# Altium PCB PCB.PcbDoc (part 3 of 3)
Units mm, origin at the board's own origin, x right, y up, seen from the top; angles counter-clockwise.
Board outline 229 x 100 mm, 2 copper layers (Top Layer 1, Bottom Layer 2), stack 1.58 mm thick; 164 components, 97 nets, 426 pads, 699 vias.
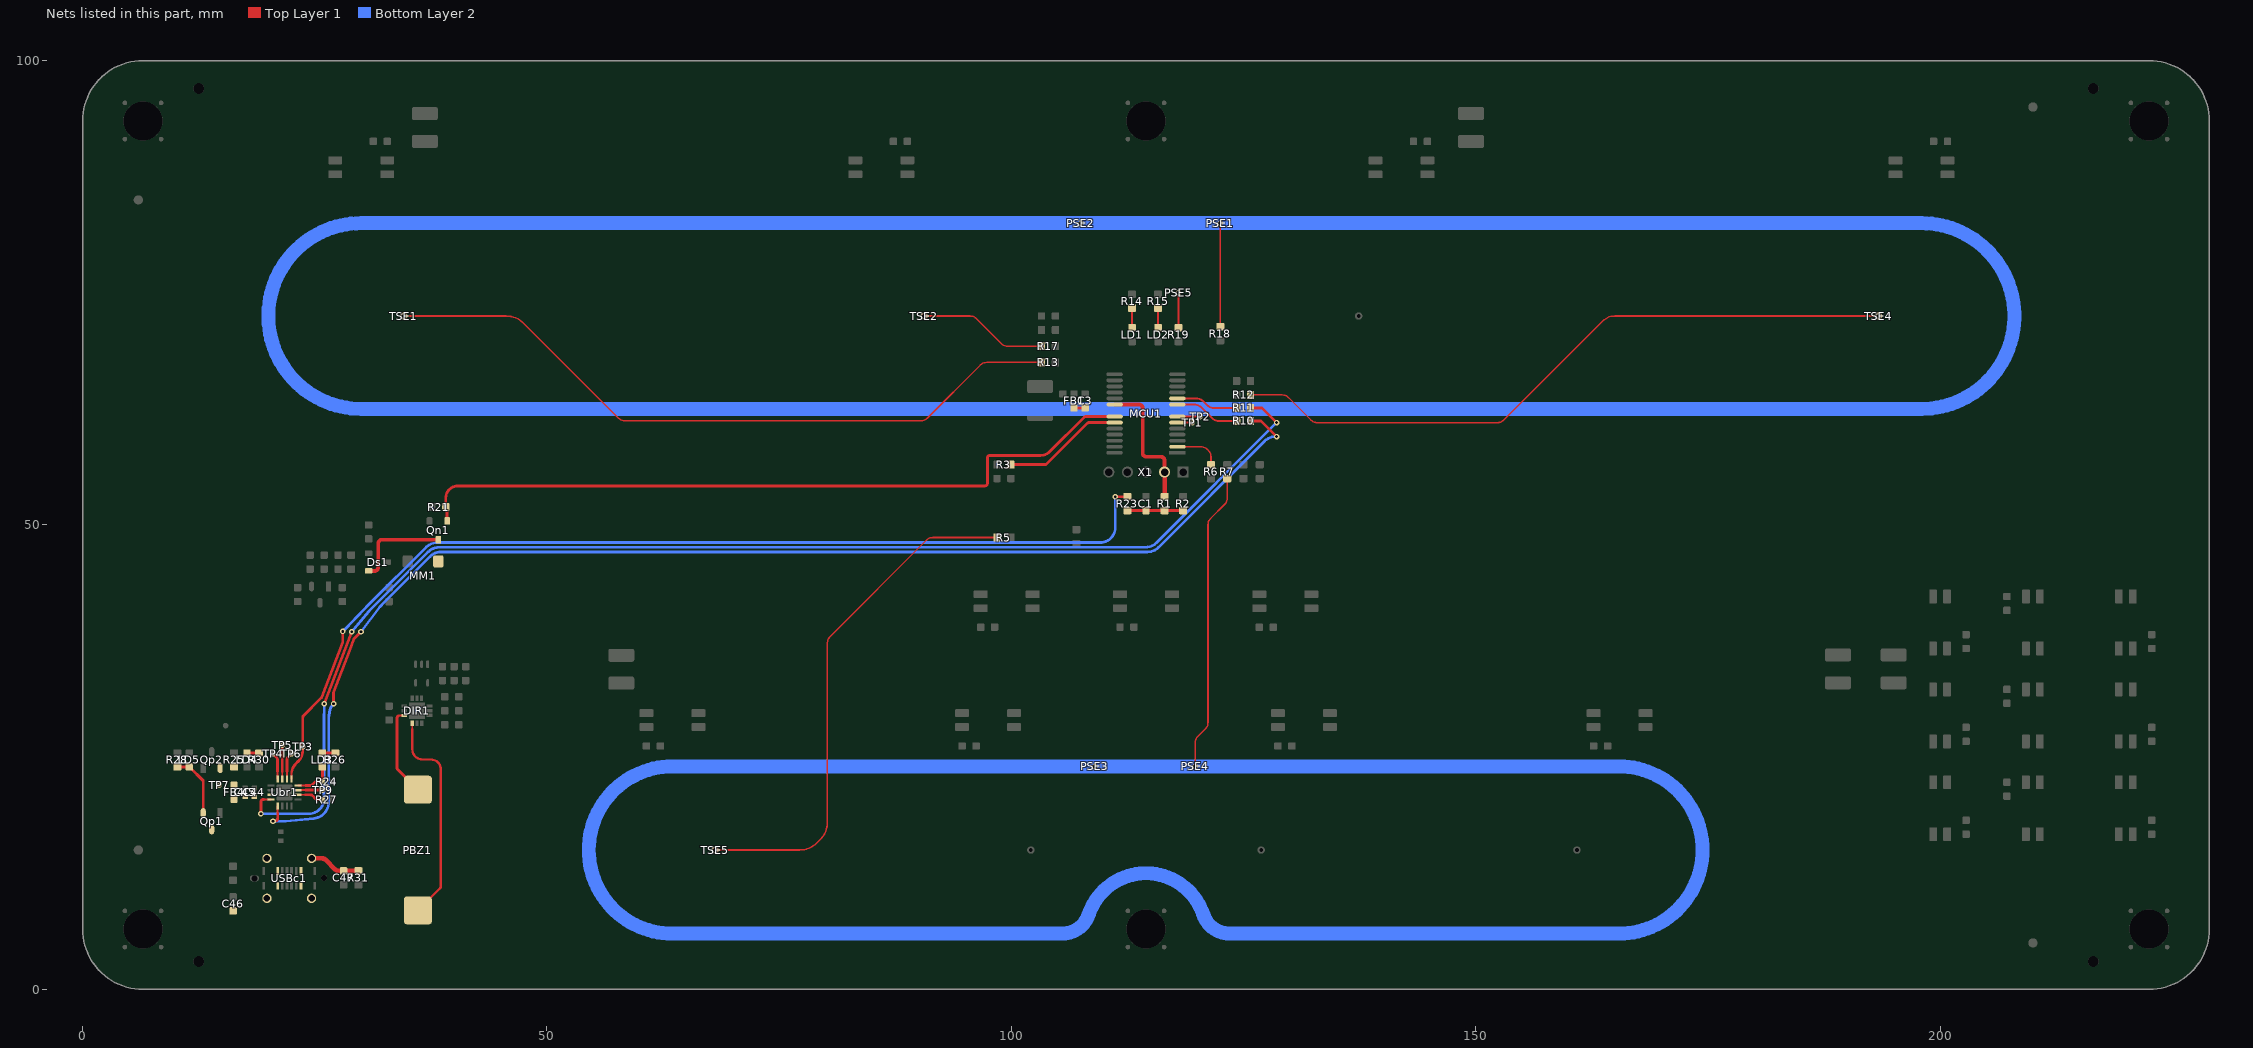
[diagram p3: the nets of this part, all layers, seen from the top]

## Via types
v1: diameter 0.7, hole 0.4, Top Layer 1 to Bottom Layer 2, tented both sides, 616 vias
v2: diameter 0.6, hole 0.3, Top Layer 1 to Bottom Layer 2, tented both sides, 83 vias

## Nets (pads, with @x,y where several pads share a name; then routed paths per layer and width w, separated by ;. In a path a pad name is that pad's centre, name@x,y a point inside that pad or via, vN(x,y) a via of type N, cw(c..) or ccw(c..) an arc to the next point about the centre after c; other vN are vias at no path point) (continued)
NetDIR1_6: DIR1.6 PBZ1.2 | length 9.6
  Top Layer 1 w0.2: 34,29.456 cw(c34.146,29.194) 34.146,29.494 DIR1.6@34.65,29.494
  Top Layer 1 w0.3: 34,29.456 ccw(c34.146,29.194) 33.846,29.194 33.846,23.879 ccw(c34.146,23.879) 33.933,23.667 34.9,22.7 PBZ1.2@36.1,21.5
NetDIR1_7: DIR1.7 PBZ1.1 | length 23.3
  Top Layer 1 w0.2: 35.5,28 35.5,28.477 DIR1.7@35.5,28.65
  Top Layer 1 w0.254: 35.5,28 35.5,25.835 ccw(c36.587,25.837) 36.587,24.75 36.588,24.75 37.511,24.75 cw(c37.512,23.688) 38.574,23.688 38.574,11.079 cw(c38.32,11.079) 38.499,10.899 PBZ1.1@36.1,8.5
NetDs1_2: Ds1.2 MM1.2 Qn1.3 | length 10.5
  Top Layer 1 w0.4: Ds1.2@30.8,45.05 31.428,45.05 ccw(c31.428,45.45) 31.828,45.45 31.828,48.015 cw(c32.228,48.015) 32.228,48.415 Qn1.3@38.3,48.415
NetLD1_1: LD1.1 R14.2 | length 2.1
  Top Layer 1 w0.2: LD1.1@113,71.25 R14.2@113,73.35
NetLD2_1: LD2.1 R15.2 | length 2.1
  Top Layer 1 w0.2: LD2.1@115.8,71.25 R15.2@115.8,73.35
NetLD3_1: LD3.1 R26.2 | length 1.4
  Top Layer 1 w0.3: LD3.1@25.825,25.45 R26.2@27.22,25.45
NetLD3_2: LD3.2 R24.1 Ubr1.12 | length 4.4
  Top Layer 1 w0.2: Ubr1.12@23.2,21.95 24,21.95
  Top Layer 1 w0.3: 24,21.95 24.532,21.95 ccw(c24.531,22.25) 24.743,22.037 24.968,22.263 cw(c25.18,22.05) 25.18,22.35 R24.1@25.825,22.35 LD3.2@25.825,23.95
NetLD4_1: LD4.1 R30.2 | length 1.3
  Top Layer 1 w0.3: LD4.1@17.7,25.45 R30.2@19,25.45
NetMCU1_2: MCU1.2 R6.2 | length 5.1
  Top Layer 1 w0.17: MCU1.2@117.875,58.425 120.423,58.425 cw(c120.423,57.49) 121.083,58.152 121.227,58.008 cw(c120.565,57.348) 121.5,57.348 121.5,56.78 R6.2@121.5,56.5
NetMCU1_6: MCU1.6 TP1.1 | length 1.6
  Top Layer 1 w0.2: MCU1.6@117.875,61.025 TP1.1@119.5,61.025
NetMCU1_7: MCU1.7 TP2.1 | length 2.5
  Top Layer 1 w0.2: MCU1.7@117.875,61.675 TP2.1@120.345,61.675
NetMCU1_9: MCU1.9 R10.2 | length 7
  Top Layer 1 w0.2: MCU1.9@117.875,62.975 119.678,62.975 cw(c119.678,61.875) 120.454,62.654 121.587,61.521 ccw(c122.364,62.3) 122.364,61.2 R10.2@124.25,61.2
NetMCU1_10: MCU1.10 R11.2 | length 6.7
  Top Layer 1 w0.2: MCU1.10@117.875,63.625 119.902,63.625 cw(c119.902,62.525) 120.679,63.304 121.06,62.922 ccw(c121.838,63.7) 121.838,62.6 R11.2@124.25,62.6
NetMCU1_23: MCU1.23 R3.1 | length 13
  Top Layer 1 w0.3: R3.1@99.958,56.5 103.716,56.5 108.153,60.938 cw(c108.365,60.725) 108.365,61.025 MCU1.23@111.125,61.025
NetR23_1: R23.1 TP3.1 Ubr1.13 | length 110.1
  Top Layer 1 w0.2: Ubr1.13@22.5,22.65 22.5,23.156 cw(c24.15,23.153) 22.527,23.45
  Top Layer 1 w0.3: 22.527,23.45 cw(c24.15,23.153) 22.983,24.32 23.217,24.554 ccw(c22.05,25.72) 23.7,25.718 TP3.1@23.7,26.1 23.7,29.251 cw(c24,29.251) 23.788,29.463 25.68,31.355 ccw(c25.466,31.566) 25.747,31.458 28.014,37.389 v2(28.014,38.543) ; v2(111.2,53.05) R23.1@112.5,53.05
  Bottom Layer 2 w0.3: v2(28.014,38.543) 30.548,41.155 cw(c32.45,39.309) 30.576,41.184 30.702,41.309 37.01,47.617 cw(c38.176,46.45) 38.176,48.1 109.55,48.1 ccw(c109.55,49.75) 111.2,49.75 v2(111.2,53.05)
NetR27_1: R27.1 Ubr1.10 | length 2.8
  Top Layer 1 w0.2: Ubr1.10@23.2,20.95 24,20.95
  Top Layer 1 w0.3: 24,20.95 24.526,20.95 cw(c24.526,20.65) 24.737,20.863 25.078,20.522 ccw(c25.289,20.735) 25.289,20.435 R27.1@25.825,20.435
NetTP4_1: TP4.1 Ubr1.16 | length 2.9
  Top Layer 1 w0.2: 20.985,23.45 20.985,22.665 Ubr1.16@21,22.65
  Top Layer 1 w0.3: TP4.1@20.5,25.35 20.898,24.952 cw(c20.685,24.741) 20.985,24.741 20.985,23.45
NetTP5_1: TP5.1 Ubr1.15 | length 3.7
  Top Layer 1 w0.2: Ubr1.15@21.5,22.65 21.5,23.45
  Top Layer 1 w0.3: 21.5,23.45 TP5.1@21.5,26.3
NetTP6_1: TP6.1 Ubr1.14 | length 2.9
  Top Layer 1 w0.2: Ubr1.14@21.999,22.65 21.999,23.128 22,23.129 22,23.45
  Top Layer 1 w0.3: 22,23.45 22,24.743 cw(c22.3,24.743) 22.087,24.954 TP6.1@22.483,25.35
NetTP9_1: TP9.1 Ubr1.11 | length 2.6
  Top Layer 1 w0.2: Ubr1.11@23.2,21.45 24,21.45
  Top Layer 1 w0.3: 24,21.45 TP9.1@25.844,21.45
nMCLR: C1.2 R1.1 R2.1 R23.2 | length 6
  Top Layer 1 w0.3: R23.2@112.5,51.55 C1.2@114.425,51.55 ; C1.2@114.5,51.55 R1.1@116.5,51.55 R2.1@118.5,51.55 ; R2.1@118.5,51.625 R2.1@118.55,51.625
NO: R12.2 TSE4.1 | length 73.4
  Top Layer 1 w0.17: R12.2@125.75,64 129.178,64 cw(c129.178,63.065) 129.838,63.727 132.267,61.298 ccw(c132.927,61.96) 132.927,61.025 152.362,61.025 ccw(c152.362,61.96) 153.022,61.298 163.703,71.978 cw(c164.964,70.715) 164.964,72.5 TSE4.1@193.4,72.5
ON_OFF: R5.1 TSE5.1 | length 56.2
  Top Layer 1 w0.17: TSE5.1@68.1,15 77.209,15 ccw(c77.209,17.635) 79.07,15.77 79.43,16.13 ccw(c77.565,17.991) 80.2,17.991 80.2,37.313 cw(c81.135,37.313) 80.473,37.973 90.877,48.377 cw(c91.537,47.715) 91.537,48.65 R5.1@98.458,48.65
OR: R17.2 TSE2.1 | length 13.9
  Top Layer 1 w0.17: TSE2.1@90.6,72.5 95.571,72.5 cw(c95.571,71.565) 96.231,72.227 98.935,69.523 ccw(c99.595,70.185) 99.595,69.25 R17.2@103.25,69.25
PS1: PSE3.1 PSE4.1 R7.1 | length 298.4
  Top Layer 1 w0.17: PSE4.1@119.8,24 119.8,26.571 cw(c120.735,26.571) 120.073,27.231 120.905,28.064 ccw(c120.243,28.724) 121.178,28.724 121.178,50.038 cw(c122.113,50.038) 121.451,50.698 122.977,52.225 ccw(c122.315,52.885) 123.25,52.885 R7.1@123.25,55
  Bottom Layer 2 w1.5: 63.5,6 cw(c63.5,15) 63.5,24 165.423,24 cw(c165.423,15) 165.423,6 123.51,6 cw(c123.514,9) 120.669,8.049 ccw(c114.5,6) 108.332,8.05 cw(c105.486,9) 105.49,6 63.5,6
PS2: PSE1.1 PSE2.1 R18.2 | length 410
  Top Layer 1 w0.17: R18.2@122.5,71.35 PSE1.1@122.5,82.5
  Bottom Layer 2 w1.5: 30,62.5 cw(c30,72.5) 30,82.5 PSE2.1@107.5,82.5 198,82.5 cw(c198,72.5) 198,62.5 30,62.5
RXD: R10.1 Ubr1.5 | length 139
  Top Layer 1 w0.2: 21,18.95 Ubr1.5@21,19.75
  Top Layer 1 w0.3: v2(20.5,18.1) 20.734,18.127 ccw(c20.7,18.425) 21,18.425 21,18.95 ; v2(27.025,30.754) 27.025,31.925 cw(c27.325,31.924) 27.045,32.03 28.754,36.523 29.201,37.694 cw(c29.482,37.587) 29.269,37.799 v2(29.973,38.502) ; R10.1@125.75,61.2 126.882,61.2 v2(128.565,59.518)
  Bottom Layer 2 w0.3: v2(20.5,18.1) 21.704,18.1 ccw(c21.701,19.75) 21.863,18.108 24.911,18.409 ccw(c24.738,20.162) 26.5,20.162 26.5,28.695 cw(c28.15,28.695) 26.5,28.703 26.503,29.224 cw(c28.153,29.211) 26.522,29.457 26.583,29.861 cw(c28.214,29.61) v2(27.025,30.754) ; v2(29.973,38.502) 32.027,41.199 cw(c33.34,40.199) 32.174,41.367 37.425,46.617 cw(c38.591,45.45) 38.591,47.1 114.664,47.1 ccw(c114.664,48.75) 115.829,47.583 127.282,59.035 cw(c128.448,57.868) 128.448,59.518 v2(128.565,59.518)
SH: C47.2 R31.1 USBc1.SH | length 5.6
  Top Layer 1 w0.5: USBc1.SH@24.65,14.1 25.81,14.1 cw(c25.81,13.6) 26.163,13.954 27.222,12.896 ccw(c27.575,13.25) 27.575,12.75 R31.1@29.7,12.75
SHIELD: PSE5.1 R19.1 | length 3.7
  Top Layer 1 w0.17: R19.1@118,71.25 PSE5.1@118,75
TXD: R11.1 Ubr1.4 | length 141.1
  Top Layer 1 w0.2: 19.5,20.45 Ubr1.4@20.3,20.45
  Top Layer 1 w0.3: v2(19.2,18.9) 19.2,20.15 cw(c19.5,20.15) 19.5,20.45 ; v2(26.013,30.754) v2(28.975,38.502) ; R11.1@125.75,62.6 126.99,62.6 v2(128.565,61.025)
  Bottom Layer 2 w0.3: v2(19.2,18.9) 24.35,18.9 ccw(c24.35,20.55) 26,20.55 26,28.7 cw(c26.5,28.7) 26,28.703 v2(26.013,30.754) ; v2(28.975,38.502) 30.799,40.687 cw(c32.45,39.309) 30.93,40.83 37.07,46.97 cw(c38.591,45.45) 37.073,46.973 37.22,47.119 cw(c38.384,45.95) 38.383,47.6 ; 38.384,47.6 114.456,47.6 ccw(c114.456,49.25) 115.622,48.082 v2(128.565,61.025)
VBUS: FB4.1 LD5.2 Qp1.2 Qp2.2 R25.1 R28.2 TP7.1 | length 6.9
  Top Layer 1 w0.3: R28.2@10.2,23.95 LD5.2@11.5,23.95 12.985,22.465 Qp1.2@12.985,18.977
VBUSin: C46.2 Qp1.3 USBc1.A4 USBc1.A9 USBc1.B4 USBc1.B9
VDD5: C44.1 C45.1 FB4.2 Ubr1.3
VIBRATE: MCU1.22 Qn1.1 R21.2 | length 80
  Top Layer 1 w0.3: Qn1.1@39.25,50.435 39.25,51.64 R21.2@39.1,51.925 39.1,52.9 cw(c40.4,52.9) 40.4,54.2 97.126,54.2 ccw(c97.126,54.5) 97.426,54.5 97.426,57.19 cw(c97.726,57.19) 97.726,57.49 103.145,57.49 103.146,57.49 ccw(c103.146,58.884) 104.132,57.898 107.821,61.588 cw(c108.033,61.375) 108.033,61.675 MCU1.22@111.125,61.675
VppMCU: C3.2 FB1.2 MCU1.20 R1.2 X1.2 | length 16
  Top Layer 1 w0.3: FB1.2@106.75,62.6 C3.2@107.95,62.6
  Top Layer 1 w0.4: MCU1.20@111.125,62.975 113.735,62.975 cw(c113.735,62.575) 114.135,62.575 114.135,57.748 ccw(c114.535,57.748) 114.535,57.348 116.1,57.348 cw(c116.1,56.948) 116.5,56.948 X1.2@116.5,55.7
  Top Layer 1 w0.5: R1.2@116.5,53.05 X1.2@116.5,55.7
XOR: R13.2 TSE1.1 | length 75.7
  Top Layer 1 w0.17: TSE1.1@34.6,72.5 45.609,72.5 cw(c45.609,69.865) 47.29,71.894 cw(c46.692,71.175) 47.354,71.835 52.676,66.523 57.702,61.506 ccw(c58.362,62.167) 58.362,61.232 90.291,61.232 ccw(c90.291,62.167) 90.951,61.505 96.673,67.227 cw(c97.333,66.565) 97.333,67.5 R13.2@103.25,67.5
pads on no net: FID1.1 FID2.1 FID3.1 FID4.1 LL1.1 RN1.1 RN1.MH RN2.1 RN2.MH RN3.1 RN3.MH RN4.1 RN4.MH RN5.1 RN5.MH RN6.1 RN6.MH TO1.1 TO2.1 TO3.1 TO4.1 USBc1.A5 USBc1.A8 USBc1.B5 USBc1.B8 USBc1.MH WS20.2

## Polygon pours and split planes (outlines as drawn)
VBUSin on Top Layer 1 "Pol" (solid, pour order 92): 13.407,8.693 13.407,17.373 cw(c13.787,17.373) 13.787,17.753 14.013,17.753 cw(c14.013,17.366) 14.4,17.366 14.4,9.746 ccw(c15.146,9.746) 15.146,9 20.254,9 ccw(c20.254,9.446) 20.7,9.446 20.7,13.1 cw(c20.9,13.1) 20.9,13.3 21,13.3 cw(c21,13.15) 21.15,13.15 21.15,9.446 ccw(c21.596,9.446) 21.596,9 22.904,9 ccw(c22.904,9.446) 23.35,9.446 23.35,13.15 cw(c23.5,13.15) 23.5,13.3 23.6,13.3 cw(c23.6,13.1) 23.8,13.1 23.8,8.915 cw(c22.385,8.915) 22.385,7.5 14.6,7.5 cw(c14.6,8.693)
GND on Top Layer 1 "GND_L01_P093" (solid, remove dead copper, pour order 93): 6.5,0 cw(c6.5,6.5) 0,6.5 0,93.5 cw(c6.5,93.5) 6.5,100 222.5,100 cw(c222.5,93.5) 229,93.5 229,6.5 cw(c222.5,6.5) 222.5,0
GND on Top Layer 1 "Pol" (solid, pour order 54): 121.815,55.4 120.044,55.4 120.044,54.6 121.815,54.6
NetC15_2 on Top Layer 1 "Pol" (solid, pour order 55): 32.6,43.53 32.41,45.79 32.41,46.21 cw(c32.5,46.21) 32.5,46.3 33.251,46.3 34.402,46.69 cw(c34.615,46.063) 34.615,46.725 35.385,46.725 cw(c35.385,46.554) 35.55,46.51 35.55,45.591 cw(c35.385,45.591) 35.385,45.426 ccw(c35.385,44.813) 34.93,45.224 33.588,43.738 ccw(c34.128,43.25) 33.4,43.25 33.4,42.97 32.6,42.97
GND on Top Layer 1 "Pol" (solid, pour order 66): 20.3,21.575 19.2,21.575 cw(c19.2,21.784) 19.052,21.636 18.763,21.925 17.263,21.925 17.2,21.863 17.2,21.488 17.263,21.425 18.703,21.425 cw(c18.703,21.342) 18.762,21.401 18.802,21.36 ccw(c18.887,21.445) 18.887,21.325 20.3,21.325
VDD5 on Top Layer 1 "Pol" (solid, pour order 72): 20.3,21.075 18.91,21.075 ccw(c18.91,20.9) 18.786,21.024 18.772,21.009 cw(c18.689,21.091) 18.689,20.975 17.263,20.975 ccw(c17.262,20.913) 17.218,20.957 17.175,20.914 cw(c17.082,21.007) 17.082,20.875 16.02,20.875 16.02,20.075 16.58,20.075 ccw(c16.58,20.195) 16.665,20.11 16.928,20.373 cw(c17.174,20.126) 17.174,20.475 18.737,20.475 ccw(c18.737,20.537) 18.782,20.493 19.052,20.764 cw(c19.2,20.616) 19.2,20.825 20.3,20.825
VppMCU on Top Layer 1 "Pol" (solid, pour order 74): 111.125,63.182 108.556,63.182 ccw(c108.556,62.837) 108.311,63.081 cw(c108.115,63.277) 108.115,63 106.47,63 106.47,62.2 108.23,62.2 ccw(c108.23,62.787) 108.645,62.372 108.804,62.531 cw(c109.375,61.96) 109.375,62.768 111.125,62.768
VBUS on Top Layer 1 "Pol" (solid, pour order 75): 16.74,22.295 16.74,24.23 ccw(c16.62,24.23) 16.62,24.35 15.99,24.35 15.987,24.353 14.815,24.353 ccw(c14.815,24.079) 14.622,24.273 12.993,22.644 ccw(c13.671,21.965) 12.712,21.965 12.712,18.721 13.258,18.721 13.258,19.675 cw(c14.666,19.675) 13.671,20.671 14.273,21.273 cw(c15.002,20.544) 15.002,21.575 16.58,21.575 ccw(c16.58,21.735) 16.74,21.735
+5.0V on Top Layer 1 "Pol" (solid, pour order 76): 101.998,64.2 103.926,64.2 103.926,65.6 98.602,65.6 ccw(c98.602,63.498) 96.5,63.498 96.5,59.275 ccw(c97.275,59.275) 97.275,58.5 99.477,58.5 ccw(c99.477,59.223) 100.2,59.223 100.2,62.402 cw(c101.998,62.402)
+5.0V on Top Layer 1 "Pol" (solid, pour order 78): 14,25 16.6,25 ccw(c16.6,25.5) 17.1,25.5 17.1,36.3 ccw(c16.5,36.3) 16.5,36.9 14.2,36.9 ccw(c14.2,36.3) 13.6,36.3 13.6,25.4 ccw(c14,25.4)
NetDs1_2 on Top Layer 1 "Pol" (solid, pour order 80): 38,48.415 38,47.03 cw(c37.633,47.03) 37.893,46.771 37.798,46.677 ccw(c37.915,46.56) 37.75,46.56 37.75,46 38.85,46 38.85,46.56 38.6,48.105 38.6,48.415
NetC12_2 on Top Layer 1 "Pol" (solid, pour order 81): 28.92,47.15 29.079,47.15 ccw(c29.079,47.993) 29.675,47.397 30.133,47.855 ccw(c29.488,48.5) 30.4,48.5 31.2,48.5 31.2,46.75 cw(c30.8,46.75) 30.8,46.35 28.92,46.35
GND on Top Layer 1 "Pol" (solid, pour order 82): 111.125,63.832 109.157,63.832 cw(c109.157,64.338) 108.799,63.981 108.315,64.465 ccw(c108.23,64.38) 108.23,64.5 107.67,64.5 ccw(c107.67,64.38) 107.55,64.38 107.55,63.82 ccw(c107.67,63.82) 107.67,63.7 108.131,63.7 cw(c108.131,63.462) 108.3,63.63 108.377,63.553 ccw(c108.704,63.881) 108.704,63.418 111.125,63.418
SH on Bottom Layer 2 "Pol" (solid, pour order 38): 18.25,16 26.5,16 cw(c26.5,15) 27.5,15 27.5,9.25 cw(c26.25,9.25) 26.25,8 18.5,8 cw(c18.5,9.5) 17,9.5 17,14.75 cw(c18.25,14.75)
+5.0V on Bottom Layer 2 "Inner Layer 3-+5.0V" (solid, pour order 42): 17,32 57.5,32 cw(c57.5,31.001) 58.5,31 58.5,27.3 ccw(c59.1,27.3) 59.1,26.7 ccw(c59.1,27.3) 59.7,27.3 59.7,31 cw(c60.7,31) 60.7,32 91.5,32 cw(c91.5,31.001) 92.5,31 92.5,27.3 ccw(c93.1,27.3) 93.1,26.7 ccw(c93.1,27.3) 93.7,27.3 93.7,31 cw(c94.7,31) 94.7,32 126,32 cw(c126,31.5) 126.5,31.5 126.5,27.288 ccw(c127.094,27.288) 127.094,26.694 ccw(c127.094,27.3) 127.7,27.3 127.7,31.5 cw(c128.2,31.5) 128.2,32 160,32 cw(c160.001,31.501) 160.5,31.5 160.5,27.3 ccw(c161.1,27.299) 161.7,27.3 161.7,31.5 cw(c162.2,31.5) 162.2,32 204,32 cw(c204.001,31.501) 204.5,31.5 204.5,16.6 ccw(c204.9,16.6) 204.9,16.2 205.1,16.2 ccw(c205.1,16.6) 205.5,16.6 205.5,31.5 cw(c206,31.5) 206,32 221.5,32 cw(c221.502,30.002) 223.5,30 223.5,16.5 ccw(c223.8,16.5) 223.8,16.2 224.2,16.2 ccw(c224.2,16.5) 224.5,16.5 224.5,34.6 ccw(c222.103,34.603) 222.1,37 207,37 cw(c207,37.5) 206.5,37.5 206.5,42.4 ccw(c206.101,42.401) 206.1,42.8 205.9,42.8 ccw(c205.9,42.4) 205.5,42.4 205.5,37.5 cw(c205.001,37.499) 205,37 126.2,37 cw(c126.2,37.5) 125.7,37.5 125.7,39.12 ccw(c125.205,39.12) 125.205,39.615 125.005,39.615 ccw(c125.005,39.11) 124.5,39.11 124.5,37.5 cw(c124.001,37.499) 124,37 111.2,37 cw(c111.2,37.5) 110.7,37.5 110.7,39.1 ccw(c110.185,39.1) 110.185,39.615 110.015,39.615 ccw(c110.015,39.093) 109.493,39.093 109.493,37.5 cw(c108.994,37.5) 108.993,37 96.207,37 cw(c96.206,37.506) 95.7,37.507 95.7,39.1 ccw(c95.186,39.1) 95.186,39.614 95.014,39.614 ccw(c95.014,39.1) 94.5,39.1 94.5,37.5 cw(c94.001,37.499) 94,37 18,37 cw(c18,38) 17,38 17,56.5 cw(c19,56.5) 19,58.5 99.378,58.5 ccw(c99.378,59.322) 100.2,59.322 100.2,59.678 ccw(c99.378,59.678) 99.378,60.5 17,60.5 cw(c17,62) 15.5,62 15.5,89.7 cw(c16.5,89.7) 16.5,90.7 107.5,90.7 cw(c107.501,89.701) 108.5,89.7 ccw(c111.203,89.7) 111.204,86.996 118.196,86.996 ccw(c118.196,89.3) 120.5,89.3 120.5,89.7 cw(c121.5,89.7) 121.5,90.7 202.5,90.7 ccw(c202.5,91.2) 203,91.2 203,91.5 ccw(c202.493,91.501) 202.492,92.008 121.508,92.008 ccw(c121.507,89.501) 119,89.5 cw(c118.001,89.499) 118,88.5 111.2,88.5 cw(c111.2,89.7) 110,89.7 ccw(c107.501,89.701) 107.5,92.2 16.5,92.2 ccw(c16.499,89.701) 14,89.7 14,33.1 ccw(c15.1,33.1) 15.1,32
GND on Bottom Layer 2 "Pol" (hatched 45Degree grid 1.5 track 0.17, remove dead copper, pour order 70): 63.151,24.995 165.553,24.995 cw(c165.553,15.048) 175.5,14.971 cw(c165.365,15.05) 165.365,4.915 63.584,4.915 cw(c63.584,14.884) 53.615,14.926 53.617,15.501 cw(c63.151,15.462)
SHIELD on Bottom Layer 2 "Pol" (hatched 45Degree grid 1.5 track 0.17, pour order 67): 29.658,82.495 198.071,82.495 cw(c198.071,72.533) 208.033,72.533 cw(c197.915,72.533) 197.915,62.415 30.091,62.415 cw(c30.091,72.384) 20.122,72.426 20.124,73.001 cw(c29.658,72.962)
GND on Bottom Layer 2 "GND_L02_P090" (solid, remove dead copper, pour order 90): 6.5,0 cw(c6.5,6.5) 0,6.5 0,93.5 cw(c6.5,93.5) 6.5,100 222.5,100 cw(c222.5,93.5) 229,93.5 229,6.5 cw(c222.5,6.5) 222.5,0

## Silkscreen, mask and mechanical layers (free items; w line width, h text height)
Top Overlay:
  drawing of 3909 lines, arcs and shapes, not listed
  text "HELP" at 148.633,61.613 h5
  text "XOR gate" at 135.4,54.861 h5
  text "Y=A  B" at 159.3,54.861 h5
  text "OR gate" at 135.4,49.833 h5
  text "Y=A+B" at 159.3,49.833 h5
  text "AND gate" at 135.4,44.861 h5
  text "Y=A*B" at 159.3,44.861 h5
  text "NOT gate" at 135.4,39.778 h5
  text "Y = A" at 159.3,39.778 h5
Bottom Overlay:
  drawing of 308 lines, arcs and shapes, not listed
  text "Catcatcat Electronics" at 212.6,92.781 h6
  text "Logic  Gate" at 83.393,87.364 h12
  text "Development of logical thinking!" at 86.3,50.867 h7
  text "Y" at 103.094,46.3 h9
  text "B" at 117.719,46.3 h9
  text "A" at 133.355,46.3 h9
  text "Your level" at 231.089,41.97 h6
  text "RED  - \"1\" / BLUE - \"0\"" at 175,40.201 h4
  text "Mode" at 177.183,11.744 h6
  text "On/Off" at 77.351,11.689 h6
  text "1" at 99.635,10.115 h12
  text "0" at 134.621,9.931 h12
Board pcb:
  the board outline again, w0.1
Drill Drawing:
  circle w0.1: c-1.773,163.467 r0.667
  lines w0.1: -2.439,156.8 -2.439,157.133 -2.106,157.467 -2.439,157.8 -2.439,158.133 -2.106,158.133 -1.773,157.8 -1.439,158.133 -1.106,158.133 -1.106,157.8 -1.439,157.467 -1.106,157.133 -1.106,156.8 -1.439,156.8 -1.773,157.133 -2.106,156.8 -2.439,156.8 ; -2.439,160.133 -2.106,160.133 -2.106,159.8 -1.439,159.8 -1.439,160.133 -1.106,160.133 -1.106,160.8 -1.439,160.8 -1.439,161.133 -2.106,161.133 -2.106,160.8 -2.439,160.8 -2.439,160.133 ; -2.439,166.133 -2.106,166.133 -1.773,165.8 -1.439,166.133 -1.106,166.133 -1.439,166.467 -1.106,166.8 -1.439,166.8 -1.773,167.133 -2.106,166.8 -2.439,166.8 -2.106,166.467 -2.439,166.133 ; -2.439,170.133 -1.106,170.133 -1.773,168.8 -2.439,170.133 ; -2.439,171.8 -1.773,172.133 -1.106,171.8 -1.439,172.467 -1.106,173.133 -1.773,172.8 -2.439,173.133 -2.106,172.467 -2.439,171.8 ; -2.439,174.8 -1.106,174.8 -1.106,176.133 -2.439,176.133 -2.439,174.8 ; -2.439,178.467 -1.773,177.8 -1.106,178.467 -1.773,179.133 -2.439,178.467
  lines w0.3: -3.604,155.9 146.601,155.9 ; -3.604,179.9 146.601,179.9 ; 6.128,152.9 6.128,182.9 ; 15.858,152.9 15.858,182.9 ; 35.288,152.9 35.288,182.9 ; 42.906,152.9 42.906,182.9 ; 54.371,152.9 54.371,182.9 ; 82.496,152.9 82.496,182.9 ; 92,152.9 92,182.9 ; 104.52,152.9 104.52,182.9 ; 133.4,152.9 133.4,182.9 ; -3.604,152.9 146.601,152.9 146.601,182.9 -3.604,182.9 -3.604,152.9
  text "Symbol" at -1.804,180.8 h1.44
  text "Count" at 7.028,180.8 h1.44
  text "Hole Size" at 16.758,180.8 h1.44
  text "Plated" at 36.188,180.8 h1.44
  text "Hole Type" at 43.806,180.8 h1.44
  text "Drill Layer Pair" at 55.271,180.8 h1.44
  text "Via/Pad" at 83.396,180.8 h1.44
  text "Pad Shape" at 92.9,180.8 h1.44
  text "Template" at 105.42,180.8 h1.44
  text "Description" at 134.3,180.8 h1.44
  text "83" at 7.028,177.8 h1.2
  text "0.300mm (11.81mil)" at 16.758,177.8 h1.2
  text "PTH" at 36.188,177.8 h1.2
  text "Round" at 43.806,177.8 h1.2
  text "Top Layer 1 - Bottom Layer 2" at 55.271,177.8 h1.2
  text "Via" at 83.396,177.8 h1.2
  text "Rounded" at 92.9,177.8 h1.2
  text "(Mixed)" at 105.42,177.8 h1.2
  text "629" at 7.028,174.8 h1.2
  text "0.400mm (15.75mil)" at 16.758,174.8 h1.2
  text "PTH" at 36.188,174.8 h1.2
  text "Round" at 43.806,174.8 h1.2
  text "Top Layer 1 - Bottom Layer 2" at 55.271,174.8 h1.2
  text "(Mixed)" at 83.396,174.8 h1.2
  text "Rounded" at 92.9,174.8 h1.2
  text "(Mixed)" at 105.42,174.8 h1.2
  text "1" at 7.028,171.8 h1.2
  text "0.650mm (25.59mil)" at 16.758,171.8 h1.2
  text "PTH" at 36.188,171.8 h1.2
  text "Round" at 43.806,171.8 h1.2
  text "Top Layer 1 - Bottom Layer 2" at 55.271,171.8 h1.2
  text "Pad" at 83.396,171.8 h1.2
  text "Rounded" at 92.9,171.8 h1.2
  text "c65h65m75p0" at 105.42,171.8 h1.2
  text "1" at 7.028,168.8 h1.2
  text "0.650mm (25.59mil)" at 16.758,168.8 h1.2
  text "NPTH" at 36.188,168.8 h1.2
  text "Slot" at 43.806,168.8 h1.2
  text "Top Layer 1 - Bottom Layer 2" at 55.271,168.8 h1.2
  text "Pad" at 83.396,168.8 h1.2
  text "Rounded" at 92.9,168.8 h1.2
  text "r100_65hn65_100r32m110_75p0" at 105.42,168.8 h1.2
  text "4" at 7.028,165.8 h1.2
  text "0.700mm (27.56mil)" at 16.758,165.8 h1.2
  text "PTH" at 36.188,165.8 h1.2
  text "Round" at 43.806,165.8 h1.2
  text "Top Layer 1 - Bottom Layer 2" at 55.271,165.8 h1.2
  text "Pad" at 83.396,165.8 h1.2
  text "Rounded" at 92.9,165.8 h1.2
  text "c100h70m110p0" at 105.42,165.8 h1.2
  text "5" at 7.028,162.8 h1.2
  text "0.800mm (31.50mil)" at 16.758,162.8 h1.2
  text "PTH" at 36.188,162.8 h1.2
  text "Round" at 43.806,162.8 h1.2
  text "Top Layer 1 - Bottom Layer 2" at 55.271,162.8 h1.2
  text "Pad" at 83.396,162.8 h1.2
  text "(Mixed)" at 92.9,162.8 h1.2
  text "(Mixed)" at 105.42,162.8 h1.2
  text "4" at 7.028,159.8 h1.2
  text "1.152mm (45.35mil)" at 16.758,159.8 h1.2
  text "NPTH" at 36.188,159.8 h1.2
  text "Round" at 43.806,159.8 h1.2
  text "Top Layer 1 - Bottom Layer 2" at 55.271,159.8 h1.2
  text "Pad" at 83.396,159.8 h1.2
  text "Rounded" at 92.9,159.8 h1.2
  text "c115hn115m135p0_1101296088" at 105.42,159.8 h1.2
  text "6" at 7.028,156.8 h1.2
  text "4.220mm (166.14mil)" at 16.758,156.8 h1.2
  text "NPTH" at 36.188,156.8 h1.2
  text "Round" at 43.806,156.8 h1.2
  text "Top Layer 1 - Bottom Layer 2" at 55.271,156.8 h1.2
  text "Pad" at 83.396,156.8 h1.2
  text "Rounded" at 92.9,156.8 h1.2
  text "c422hn422m432p0" at 105.42,156.8 h1.2
  text "733 Total" at 7.028,153.8 h1.2
  text "Slot definitions :" at -1.804,151.1 h1.2
  text "Routed Path Length" at 12.625,151.1 h1.2
  text "= Calculated from tool start centre position to tool end centre position." at 29.893,151.1 h1.2
  text "Hole Length" at 12.625,149.301 h1.2
  text "= Routed Path Length + Tool Size = Slot length as defined in the PCB layout" at 23.043,149.301 h1.2
Fab Notes:
  drawing of 332 lines, arcs and shapes, not listed
  text "Layer" at 153.68,178.858 h1.52
  text "Name" at 164.092,178.858 h1.52
  text "Material" at 187.961,178.858 h1.52
  text "Thickness" at 238.746,178.858 h1.52
  text "Constant" at 255.252,178.858 h1.52
  text "Board Layer Stack" at 269.726,178.858 h1.52
  text "Top Overlay" at 164.092,175.81 h1.52
  text "Top Solder" at 164.092,172.762 h1.52
  text "Solder Resist" at 187.961,172.762 h1.52
  text "0.010mm" at 238.746,172.762 h1.52
  text "3.8" at 255.252,172.762 h1.52
  text "1" at 153.68,169.714 h1.52
  text "Top Layer 1" at 164.092,169.714 h1.52
  text "Copper" at 187.961,169.714 h1.52
  text "0.035mm" at 238.746,169.714 h1.52
  text "Core" at 164.092,166.666 h1.52
  text "FR-4 Standard Tg 130-140/ Tg 155" at 187.961,166.666 h1.52
  text "1.510mm" at 238.746,166.666 h1.52
  text "4.6" at 255.252,166.666 h1.52
  text "2" at 153.68,163.618 h1.52
  text "Bottom Layer 2" at 164.092,163.618 h1.52
  text "Copper" at 187.961,163.618 h1.52
  text "0.035mm" at 238.746,163.618 h1.52
  text "Bottom Solder" at 164.092,160.57 h1.52
  text "Solder Resist" at 187.961,160.57 h1.52
  text "0.010mm" at 238.746,160.57 h1.52
  text "3.8" at 255.252,160.57 h1.52
  text "Bottom Overlay" at 164.092,157.522 h1.52
  text "Total board thickness:" at 153.68,154.474 h1.52
  text "1.600mm" at 238.746,154.474 h1.52
  text "IMPEDANCE TABLE" at 2.301,137.01 h2.03
  text "DESIGN INFORMATION" at 297.5,137 h2
  text "LAYER" at 0,134 h1
  text "TRACE WIDTH" at 6,134 h1
  text "IMPEDANCE +/- 10%" at 16,134 h1
  text "REFERENCE LAYER" at 32.5,134 h1
  text "LAYER" at 50.2,133.8 h1
  text "TRACE WIDTH" at 56.2,133.8 h1
  text "SPACING" at 67.2,133.8 h1
  text "IMPEDANCE +/- 10%" at 75.2,133.8 h1
  text "REFERENCE LAYER" at 91.7,133.8 h1
  text "PCB REV" at 299.301,131.178 h1.78
  text "TOP" at -0.5,131 h1
  text "6 MILS" at 7.5,131 h1
  text "50 OHM" at 20,131 h1
  text "Layer-2" at 35.5,131 h1
  text "PCB SPECIFICATIONS" at 264.18,131 h1.8
  text ".PCB_Revision" at 312.451,130.928 h1.78
  text "TOP" at 49.7,130.8 h1
  text "6 MILS" at 57.7,130.8 h1
  text "6.01 MILS" at 66.7,130.8 h1
  text "90 OHM" at 79.2,130.8 h1
  text "Layer-2" at 94.7,130.8 h1
  text "Layer-3" at -0.5,128 h1
  text "4 MILS" at 7.5,128 h1
  text "50 OHM" at 20,128 h1
  text "Layer-4" at 35.5,128 h1
  text "Bottom" at 49.7,127.8 h1
  text "4 MILS" at 57.7,127.8 h1
  text "6.01 MILS" at 66.7,127.8 h1
  text "90 OHM" at 79.2,127.8 h1
  text "Layer-9" at 94.7,127.8 h1
  text "Layer-2" at 94.7,125.133 h1
  text "Layer-5" at -0.5,125 h1
  text "4.5 MILS" at 7.5,125 h1
  text "50 OHM" at 20,125 h1
  text "Layer-4" at 35.5,125 h1
  text "LAYERS:" at 264.18,125 h1.8
  text ".Layer_Count" at 304.622,125 h2
  text "TOP" at 50.2,124.8 h1
  text "5.01 MILS" at 57.7,124.8 h1
  text "8.99 MILS" at 66.7,124.8 h1
  text "100 OHM" at 79.2,124.8 h1
  text "Layer-6" at -0.5,122 h1
  text "4.5 MILS" at 7.5,122 h1
  text "50 OHM" at 20,122 h1
  text "Layer-7" at 35.5,122 h1
  text "Layer-3" at 49.7,121.8 h1
  text "Layer-4" at 94.7,121.8 h1
  text "4.01 MILS" at 57.7,121.467 h1
  text "11.99 MILS" at 66.7,121.467 h1
  text "100 OHM" at 79.2,121.467 h1
  text "DIMENSIONS:" at 264.18,120.048 h1.8
  text ".Board_Height x .Board_Width" at 304.122,120 h2
  text "Layer-8" at -0.5,119 h1
  text "4 MILS" at 7.5,119 h1
  text "50 OHM" at 20,119 h1
  text "Layer-9" at 35.5,119 h1
  text "Bottom" at -0.5,116 h1
  text "6 MILS" at 8,116 h1
  text "50 OHM" at 20,116 h1
  text "Layer-9" at 35.5,116 h1
  text ".SPCB_Qty" at 304.5,115 h2
  text "PCB Qty:" at 264.18,114.497 h1.8
  text "Industrial/Consumer electronics" at 304.622,110 h2
  text "PRODUCT TYPE:" at 264.18,109.545 h1.8
  text ".SFinisOverallThickness" at 304.5,105 h2
  text "mm." at 317,105 h1.78
  text "10" at 328,105 h2
  text "%" at 336.5,105 h1.78
  text "FINISHED OVERALL THICKNESS:" at 264.18,104.594 h1.8
  text "DYNACHEM EPIC 200 LPI OR EQUIVALENT" at 304.5,100 h2
  text "SOLDERMASK" at 264.18,99.664 h1.78
  text ".SSolderMaskColor" at 304.5,95 h2
  text "SOLDERMASK COLOR" at 264.18,94.735 h1.78
  text ".SSilkscreeColor" at 304.5,90 h2
  text "SILKSCREEN COLOR" at 264.18,89.805 h1.78
  text ".SMaterialPCB" at 304.8,85 h2
  text "MATERIAL:" at 264.18,84.654 h2
  text ".SSurfaceFinish" at 304.5,80 h2
  text "SURFACE FINISH:" at 264.18,79.702 h1.8
  text ".CopperOuter_Weight_Max" at 304,75 h2
  text "FINISHED" at 316.5,75 h1.78
  text "Cu WEIGHT EXTERNAL LAYERS" at 264.18,74.75 h1.8
  text ".CopperInner_Weight_Max" at 304,70 h2
  text "Cu WEIGHT INTERNAL LAYERS" at 264.18,69.799 h1.8
  text "FINISHED" at 316.5,69.643 h1.78
  text "YES" at 304.5,65 h2
  text "See the impedance table." at 316.5,65 h2.5
  text "CONTROLLED IMPEDANCE" at 264.18,64.847 h1.8
  text ".Svia_covering" at 304.5,60 h2
  text "VIA COVERING:" at 264.18,59.896 h1.8
  text "0.3mm(0.4/0.45mm) (.Hole_Size_Min)" at 304.5,55 h2
  text "MIN VIA HOLE SIZE/DIAMETER:" at 264.18,54.687 h1.8
  text ".SboardOutlineTolerance" at 307.5,50 h2
  text "BOARD OUTLINE TOLERANCE:" at 264.18,49.735 h1.8
  text "YES" at 304.5,45 h2
  text "CONFIRM PRODUCTION FILE:" at 264.18,44.784 h1.8
  text "Specify a location" at 304.5,40 h2
  text "REMOVE ORDER NUMBER:" at 264.18,39.832 h1.8
  text "Fully Test" at 304.5,35 h2
  text "FLYING PROBE TEST:" at 264.18,34.881 h1.8
  text "NO" at 304.5,30 h2
  text "GOLD FINGERS:" at 264.18,29.929 h1.8
  text "NO" at 304.5,25 h2
  text "CASTELLATED HOLES:" at 264.18,24.978 h1.8
  text "4-WIRE KELVIN TEST:" at 264.18,20.026 h1.8
  text "NO" at 304.5,20 h2
  text "PAPER BETWEEN PCBS:" at 264.18,15.075 h1.8
  text "NO" at 304.5,15 h2
  text "SILKSCREEN TECHNOLOGY:" at 264.18,10.123 h1.8
  text "ink-jet/Screen Printing Silkscreen" at 304.5,10 h2
  text "APPEARANCE QUALITY:" at 264.18,5 h1.8
  text "THIS PCB TO BE MANUFACTURED TO MEET ALL ACCEPTANCE LEVELS OF A CLASS 2 PCB PER ANSI/IPC-A-600G." at 304,-0.007 h1.78
  text "PCB REMARK:" at 264.18,-4.5 h1.8
  text "ALL UL LOGO, MANUFACTURER'S ID, AND DATE CODES SHALL BE PLACED ON THE BOTTOM SIDE UNLESS OTHERWISE INDICATED. / ANY ALTERNATIVES TO THE ABOVE SPECIFICATIONS MUST FIRST BE APPROVED." at 264,-17.354 h2
  text "ADDITIONAL INFORMATION / COMPONENTS: /                 NUMBER OF MIXED TECHNOLOGY COMPONENTS = .ComponentMixed_Count /                 NUMBER OF SMD COMPONENTS = .ComponentSMD_Count /                 NUMBER OF THRU-HOLE COMPONENTS = .ComponentThru_Count /  / PRIMITIVES: /                 NAMBER OF BLIND VIA = .BlindVia_Count /                 NAMBER OF BURIED VIA =  .BuriedVia_Count /                 NAMBER OF MICRO VIA = .MicroVia_Count /                 NAMBER OF SMD PADS = .PadSMD_Count /                 NAMBER OF THRU-HOLE = .PadThru_Count /                 NAMBER OF STACKED VIA = .StackedVia_Count /                 NAMBER OF THRU-HOLE VIAS = .Thru_Via_Count / FAB: /                 MIN HOLE SIZE = .Hole_Size_Min /                 NUMBER OF UNIQUE HOLE SIZES = .Hole_Size_Num" at 264,-63 h1.6
Title (M22):
  drawing of 254 lines, arcs and shapes, not listed
  text "1" at 21.196,142.918 h1.78
  text "2" at 84.586,142.918 h1.78
  text "3" at 147.815,142.918 h1.78
  text "4" at 211.484,142.918 h1.78
  text "5" at 274.959,142.918 h1.78
  text "6" at 338.586,142.918 h1.78
  text "A" at -8.175,113.886 h1.78
  text "A" at 367.745,113.886 h1.78
  text "B" at -8.175,53.434 h1.78
  text "B" at 367.745,53.434 h1.78
  text "C" at -8.175,-6.891 h1.78
  text "C" at 367.745,-6.891 h1.78
  text ".PRJ_Version" at 358.387,-66.951 h2
  text "D" at -8.175,-67.089 h1.78
  text "TITLE:" at 277.02,-67.08 h1.14
  text "D" at 367.745,-67.089 h1.78
  text "Project version:" at 333.02,-67.58 h1.5
  text ".PRJ_Title" at 277.02,-71.08 h2.5
  text "PCB DESIGNER:" at 277.02,-75.58 h1.14
  text "GERBER FILE:" at 305.02,-75.58 h1.14
  text ".Engineer_PCB" at 277.02,-78.58 h1.78
  text ".PRJ_Year-.PRJ_Title-.PRJ_Version-.PCB_Name-R.PCB_Revision" at 305.02,-78.58 h1.5
  text "ENGINEER:" at 277.02,-81.58 h1.14
  text "DATE:" at 343.72,-81.58 h1.14
  text ".AddressCompanyDeveloper" at 242.79,-83.84 h1.78
  text ".Lead_PRJ" at 277.02,-84.58 h1.78
  text ".PRINT_DATE" at 343.72,-84.58 h1.5
  text "BOARD NUMBER:   .PCB_Name-R.PCB_Revision" at 304.02,-85.58 h1.4
  text "Altium Version    '.Application_BuildNumber'" at 326.02,-85.58 h1.4
  text ".AddressCompany" at 238.02,-86.58 h1.78
  text "LAYER NAME:" at 305.02,-87.08 h1.14
  text "10mm" at 346.02,-87.18 h0.7
  text "PCB FILE NAME:" at 277.02,-87.33 h1.14
  text "REV:" at 335.77,-87.33 h1.14
  text "400mil" at 345.92,-88.88 h0.7
  text ".AddressEmail" at 236.02,-89.08 h1.78
  text ".PCB_FILE_NAME_NO_PATH" at 277.02,-89.33 h1.14
  text ".PCB_Revision" at 339.174,-89.58 h1.78
  text "1" at 21.196,-93.302 h1.78
  text "2" at 84.586,-93.302 h1.78
  text "3" at 147.815,-93.302 h1.78
  text "4" at 211.484,-93.302 h1.78
  text "5" at 274.959,-93.302 h1.78
  text "6" at 338.586,-93.302 h1.78
Title Mirror (M23):
  drawing of 254 lines, arcs and shapes, not listed
  text "6" at 22.254,142.918 h1.78
  text "5" at 85.881,142.918 h1.78
  text "4" at 149.356,142.918 h1.78
  text "3" at 213.025,142.918 h1.78
  text "2" at 276.254,142.918 h1.78
  text "1" at 339.644,142.918 h1.78
  text "A" at -6.905,113.886 h1.78
  text "A" at 369.015,113.886 h1.78
  text "B" at -6.905,53.434 h1.78
  text "B" at 369.015,53.434 h1.78
  text "C" at -6.905,-6.891 h1.78
  text "C" at 369.015,-6.891 h1.78
  text ".PRJ_Version" at 2.453,-66.951 h2
  text "D" at -6.905,-67.089 h1.78
  text "TITLE:" at 83.82,-67.08 h1.14
  text "D" at 369.015,-67.089 h1.78
  text "Project version:" at 27.82,-67.58 h1.5
  text ".PRJ_Title" at 83.82,-71.08 h2.5
  text "GERBER FILE:" at 55.82,-75.58 h1.14
  text "PCB DESIGNER:" at 83.82,-75.58 h1.14
  text ".PRJ_Year-.PRJ_Title-.PRJ_Version-.PCB_Name-R.PCB_Revision" at 55.82,-78.58 h1.5
  text ".Engineer_PCB" at 83.82,-78.58 h1.78
  text "DATE:" at 17.12,-81.58 h1.14
  text "ENGINEER:" at 83.82,-81.58 h1.14
  text ".AddressCompanyDeveloper" at 118.05,-83.84 h1.78
  text ".PRINT_DATE" at 17.12,-84.58 h1.5
  text ".Lead_PRJ" at 83.82,-84.58 h1.78
  text "Altium Version    '.Application_BuildNumber'" at 34.82,-85.58 h1.4
  text "BOARD NUMBER:   .PCB_Name-R.PCB_Revision" at 56.82,-85.58 h1.4
  text ".AddressCompany" at 122.82,-86.58 h1.78
  text "LAYER NAME:" at 55.82,-87.08 h1.14
  text "10mm" at 14.82,-87.18 h0.7
  text "REV:" at 25.07,-87.33 h1.14
  text "PCB FILE NAME:" at 83.82,-87.33 h1.14
  text "400mil" at 14.92,-88.88 h0.7
  text ".AddressEmail" at 124.82,-89.08 h1.78
  text ".PCB_FILE_NAME_NO_PATH" at 83.82,-89.33 h1.14
  text ".PCB_Revision" at 21.666,-89.58 h1.78
  text "6" at 22.254,-93.302 h1.78
  text "5" at 85.881,-93.302 h1.78
  text "4" at 149.356,-93.302 h1.78
  text "3" at 213.025,-93.302 h1.78
  text "2" at 276.254,-93.302 h1.78
  text "1" at 339.644,-93.302 h1.78

## Dimensions
222.5,0 to 222.5,100 on Board pcb
0,6.5 to 229,6.5 on Board pcb

## Text inside footprints (layer, text, board x,y; h text height)
GS2: Top Overlay "JLCJLCJLCJLC" at 161.106,90.826 h1.8
GS3: Top Overlay "P" at 70.814,34.161 h5
GS4: Top Overlay "W" at 60.555,48.7 h5
GS5: Top Overlay "R" at 71.901,40.006 h5
GS6: Top Overlay "E" at 85.478,34.964 h5
GS7: Top Overlay "C" at 57.295,41.385 h5